# Altium PCB PCB1.PcbDoc (part 8 of 8)
Units mm, origin at the board's own origin, x right, y up, seen from the top; angles counter-clockwise.
Board outline 215 x 62.44 mm, 6 copper layers (Top Layer, Layer 1, Layer 2, Layer 3, Layer 4, Bottom Layer), stack 1.538 mm thick; 444 components, 475 nets, 1876 pads, 1257 vias.
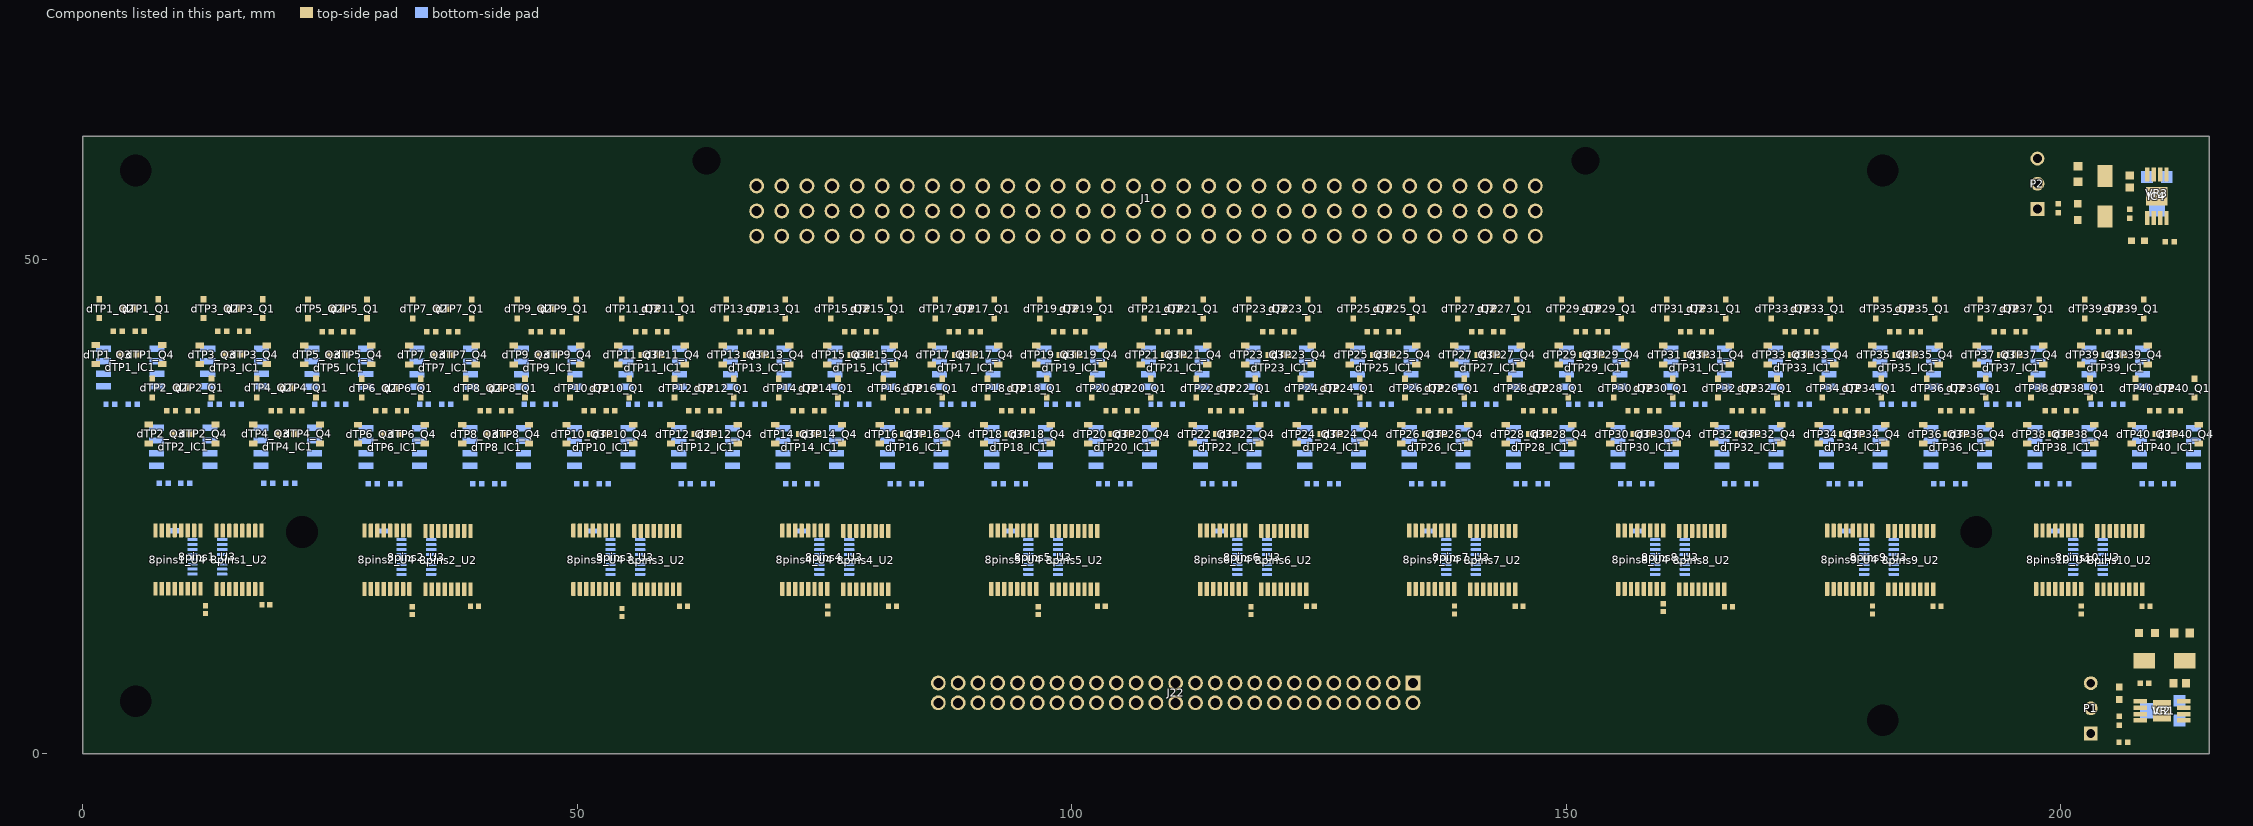
[diagram p12: the components of this part, seen from the top]

## Silkscreen, mask and mechanical layers (free items; w line width, h text height)
Top Overlay:
  lines w0.254: 96.012,3.827 103.012,3.827 ; 109.665,3.75 115.165,3.75 ; 133,48.229 133,53.311 ; 133.029,53.311 133.529,53.811 135,53.811 135.41,53.811 ; 135.5,48 135.5,58.099 ; 138,48 138,58.099 ; 140.5,48 140.5,58.099 ; 143,48 143,58.099 ; 145.655,48.044 145.655,58.143
  text "Vpins_INT_EN" at 190.12,59.787 h0.5
  text "80pin - Connection Tester Board" at 11.3,58.8 h1.5
  text "1" at 68.337,58.714 h0.5
  text "4" at 71.094,58.714 h0.5
  text "7" at 73.488,58.714 h0.5
  text "10" at 75.438,58.714 h0.5
  text "13" at 77.92,58.714 h0.5
  text "16" at 80.402,58.714 h0.5
  text "19" at 82.885,58.714 h0.5
  text "22" at 85.727,58.714 h0.5
  text "25" at 88.09,58.714 h0.5
  text "28" at 90.498,58.714 h0.5
  text "31" at 93.064,58.714 h0.5
  text "34" at 95.798,58.714 h0.5
  text "37" at 98.253,58.714 h0.5
  text "40" at 100.73,58.714 h0.5
  text "43" at 103.414,58.714 h0.5
  text "46" at 106.052,58.714 h0.5
  text "49" at 108.291,58.714 h0.5
  text "52" at 110.857,58.714 h0.5
  text "55" at 113.422,58.714 h0.5
  text "58" at 115.988,58.714 h0.5
  text "61" at 118.554,58.714 h0.5
  text "64" at 120.953,58.714 h0.5
  text "67" at 123.518,58.714 h0.5
  text "70" at 126.084,58.714 h0.5
  text "73" at 128.649,58.714 h0.5
  text "76" at 131.215,58.714 h0.5
  text "79" at 133.809,58.714 h0.5
  text "VPINS_EN" at 192.12,57.203 h0.5
  text "50" at 109.442,55.921 h0.5
  text "80" at 134.31,55.921 h0.5
  text "41" at 101.955,55.905 h0.5
  text "38" at 99.303,55.849 h0.5
  text "44" at 104.273,55.845 h0.5
  text "17" at 81.376,55.825 h0.5
  text "14" at 78.871,55.807 h0.5
  text "2" at 68.808,55.774 h0.5
  text "23" at 86.502,55.761 h0.5
  text "32" at 94.202,55.761 h0.5
  text "5" at 71.522,55.73 h0.5
  text "20" at 84.155,55.732 h0.5
  text "26" at 89.047,55.737 h0.5
  text "8" at 73.995,55.708 h0.5
  text "11" at 76.22,55.699 h0.5
  text "29" at 91.608,55.712 h0.5
  text "35" at 96.527,55.689 h0.5
  text "47" at 106.641,55.689 h0.5
  text "53" at 111.781,55.689 h0.5
  text "56" at 114.351,55.689 h0.5
  text "59" at 116.921,55.689 h0.5
  text "62" at 119.491,55.689 h0.5
  text "65" at 122.062,55.689 h0.5
  text "68" at 124.632,55.689 h0.5
  text "71" at 127.202,55.689 h0.5
  text "74" at 129.605,55.689 h0.5
  text "77" at 132.176,55.689 h0.5
  text "Vpins_EXT_EN" at 190.12,54.787 h0.5
  text "Vpins_OK_LED" at 196.62,52.787 h0.5
  text "MCU_PWR" at 136.385,50.886 h0.5 r270
  text "Vpins" at 141.668,50.608 h0.5 r270
  text "Vref" at 134.078,50.497 h0.5 r270
  text "3" at 67.906,50.324 h0.5
  text "12" at 75.318,50.326 h0.5
  text "15" at 77.811,50.326 h0.5
  text "18" at 80.304,50.326 h0.5
  text "21" at 82.797,50.326 h0.5
  text "24" at 85.457,50.326 h0.5
  text "27" at 87.917,50.326 h0.5
  text "30" at 90.681,50.326 h0.5
  text "33" at 92.936,50.326 h0.5
  text "36" at 95.662,50.326 h0.5
  text "39" at 98.293,50.326 h0.5
  text "42" at 100.826,50.326 h0.5
  text "45" at 103.42,50.326 h0.5
  text "48" at 105.941,50.326 h0.5
  text "51" at 108.315,50.326 h0.5
  text "54" at 110.97,50.326 h0.5
  text "57" at 113.552,50.326 h0.5
  text "60" at 115.956,50.326 h0.5
  text "63" at 118.533,50.326 h0.5
  text "66" at 121.109,50.326 h0.5
  text "69" at 123.685,50.326 h0.5
  text "72" at 126.262,50.326 h0.5
  text "75" at 128.838,50.326 h0.5
  text "6" at 70.57,50.282 h0.5
  text "9" at 73.022,50.282 h0.5
  text "78" at 131.414,50.291 h0.5
  text "PWR" at 144.198,49.802 h0.5 r270
  text "GND" at 146.756,49.691 h0.5 r270
  text "5V" at 139.052,49.66 h0.5 r270
  text "5V_OK_LED" at 206.634,13.567 h0.5
  text "P2_SRCLR" at 114.41,12.203 h0.5 r270
  text "P2_SRCLK" at 116.41,12.203 h0.5 r270
  text "N2_SRCLR" at 124.41,12.203 h0.5 r270
  text "N2_SRCLK" at 126.41,12.203 h0.5 r270
  text "N1_SRCLR" at 86.225,12.119 h0.5 r270
  text "N1_SRCLK" at 88.157,12.119 h0.5 r270
  text "MUX1_nEN" at 100.157,12.119 h0.5 r270
  text "P2_RCLK" at 118.41,11.703 h0.5 r270
  text "N2_RCLK" at 128.41,11.703 h0.5 r270
  text "N1_RCLK" at 90.157,11.619 h0.5 r270
  text "MUX1_A2" at 96.157,11.619 h0.5 r270
  text "MUX1_A0" at 102.157,11.619 h0.5 r270
  text "P2_nOE" at 120.41,11.203 h0.5 r270
  text "P2_SER" at 122.41,11.203 h0.5 r270
  text "N2_nOE" at 130.41,11.203 h0.5 r270
  text "N2_SER" at 132.41,11.203 h0.5 r270
  text "N1_SER" at 92.157,11.12 h0.5 r270
  text "N1_nOE" at 94.157,11.12 h0.5 r270
  text "MUX_A1" at 98.157,11.036 h0.5 r270
  text "D2" at 106.326,9.204 h0.5 r270
  text "D3" at 108.326,9.204 h0.5 r270
  text "D4" at 110.326,9.204 h0.5 r270
  text "D5" at 112.326,9.204 h0.5 r270
  text "D6" at 134.326,9.204 h0.5 r270
  text "D1" at 104.326,9.037 h0.5 r270
  text "5V_INT_EN" at 197.34,7.019 h0.5
  text "5V_EN" at 198.65,4.647 h0.5
  text "MUX2_nEN" at 126.368,4.133 h0.5 r270
  text "Vpins_en" at 116.267,4.082 h0.5 r270
  text "P1_RCLK" at 90.118,3.955 h0.5 r270
  text "P1_SRCLK" at 92.291,3.973 h0.5 r270
  text "P1_SRCLR" at 94.293,3.943 h0.5 r270
  text "Vref" at 104.12,3.88 h0.5 r270
  text "Vpins" at 106.287,3.88 h0.5 r270
  text "MCU_PWR" at 108.203,3.88 h0.5 r270
  text "5V_E_en" at 118.203,3.88 h0.5 r270
  text "MUX2_A1" at 120.245,3.893 h0.5 r270
  text "MUX2_A2" at 122.327,3.893 h0.5 r270
  text "MUX2_A0" at 124.168,3.893 h0.5 r270
  text "D9" at 130.297,3.876 h0.5 r270
  text "D8" at 132.254,3.878 h0.5 r270
  text "P1_nOE" at 88.24,3.873 h0.5 r270
  text "D7" at 134.329,3.869 h0.5 r270
  text "D10" at 128.249,3.824 h0.5 r270
  text "P1_SER" at 86.321,3.811 h0.5 r270
  text "BOARD_PWR" at 110.12,2.703 h0.5
  text "GND" at 99.12,2.62 h0.5
  text "5V_EXT_EN" at 197.206,1.841 h0.5
  text "Filip Paul - rev1 - 26.11.2022" at 2.434,1.651 h1
  text "7-15V" at 111.12,1.62 h0.5
Bottom Overlay:
  lines w0.254: 96.012,3.827 103.012,3.827 ; 109.665,3.75 115.165,3.75 ; 133,48.229 133,53.311 ; 133.029,53.311 133.529,53.811 135,53.811 135.41,53.811 ; 135.613,48.06 135.613,58.159 ; 138,48 138,58.099 ; 140.5,48 140.5,58.099 ; 143,48 143,58.099 ; 145.655,48.044 145.655,58.143
  text "Vpins_INT_EN" at 195.934,60.045 h0.5
  text "1" at 68.097,58.714 h0.5
  text "4" at 70.854,58.714 h0.5
  text "7" at 73.248,58.714 h0.5
  text "10" at 76.198,58.714 h0.5
  text "13" at 78.68,58.714 h0.5
  text "16" at 81.162,58.714 h0.5
  text "19" at 83.645,58.714 h0.5
  text "22" at 86.487,58.714 h0.5
  text "25" at 88.85,58.714 h0.5
  text "28" at 91.258,58.714 h0.5
  text "31" at 93.824,58.714 h0.5
  text "34" at 96.558,58.714 h0.5
  text "37" at 99.013,58.714 h0.5
  text "40" at 101.49,58.714 h0.5
  text "43" at 104.174,58.714 h0.5
  text "46" at 106.812,58.714 h0.5
  text "49" at 109.051,58.714 h0.5
  text "52" at 111.617,58.714 h0.5
  text "55" at 114.182,58.714 h0.5
  text "58" at 116.748,58.714 h0.5
  text "61" at 119.314,58.714 h0.5
  text "64" at 121.713,58.714 h0.5
  text "67" at 124.278,58.714 h0.5
  text "70" at 126.844,58.714 h0.5
  text "73" at 129.409,58.714 h0.5
  text "76" at 131.975,58.714 h0.5
  text "79" at 134.569,58.714 h0.5
  text "VPINS_EN" at 195.916,57.37 h0.5
  text "80" at 135.155,55.922 h0.5
  text "44" at 105.03,55.848 h0.5
  text "50" at 110.134,55.838 h0.5
  text "2" at 69.068,55.774 h0.5
  text "23" at 87.262,55.761 h0.5
  text "32" at 94.962,55.761 h0.5
  text "5" at 71.782,55.73 h0.5
  text "20" at 84.915,55.732 h0.5
  text "26" at 89.807,55.737 h0.5
  text "8" at 74.255,55.708 h0.5
  text "11" at 76.98,55.699 h0.5
  text "29" at 92.368,55.712 h0.5
  text "14" at 79.462,55.689 h0.5
  text "17" at 81.949,55.689 h0.5
  text "35" at 97.287,55.689 h0.5
  text "38" at 99.857,55.689 h0.5
  text "41" at 102.427,55.689 h0.5
  text "47" at 107.401,55.689 h0.5
  text "53" at 112.541,55.689 h0.5
  text "56" at 115.111,55.689 h0.5
  text "59" at 117.681,55.689 h0.5
  text "62" at 120.251,55.689 h0.5
  text "65" at 122.822,55.689 h0.5
  text "68" at 125.392,55.689 h0.5
  text "71" at 127.962,55.689 h0.5
  text "74" at 130.365,55.689 h0.5
  text "77" at 132.936,55.689 h0.5
  text "Vpins_EXT_EN" at 195.952,54.971 h0.5
  text "Vpins_TRIMMER" at 212.287,53.62 h0.5 r270
  text "6" at 70.69,50.375 h0.5
  text "3" at 68.189,50.305 h0.5
  text "9" at 73.178,50.319 h0.5
  text "12" at 76.078,50.326 h0.5
  text "15" at 78.571,50.326 h0.5
  text "18" at 81.064,50.326 h0.5
  text "21" at 83.557,50.326 h0.5
  text "24" at 86.217,50.326 h0.5
  text "27" at 88.677,50.326 h0.5
  text "30" at 91.441,50.326 h0.5
  text "33" at 93.696,50.326 h0.5
  text "36" at 96.422,50.326 h0.5
  text "39" at 99.053,50.326 h0.5
  text "42" at 101.586,50.326 h0.5
  text "45" at 104.18,50.326 h0.5
  text "48" at 106.701,50.326 h0.5
  text "51" at 109.075,50.326 h0.5
  text "54" at 111.73,50.326 h0.5
  text "57" at 114.312,50.326 h0.5
  text "60" at 116.716,50.326 h0.5
  text "63" at 119.293,50.326 h0.5
  text "66" at 121.869,50.326 h0.5
  text "69" at 124.445,50.326 h0.5
  text "72" at 127.022,50.326 h0.5
  text "75" at 129.598,50.326 h0.5
  text "78" at 132.174,50.291 h0.5
  text "5V" at 139.052,49.9 h0.5 r270
  text "GND" at 146.673,49.457 h0.5 r270
  text "Vref" at 133.99,49.31 h0.5 r270
  text "Vpins" at 141.598,48.633 h0.5 r270
  text "MCU_PWR" at 136.523,47.643 h0.5 r270
  text "BOARD_PWR" at 144.001,46.783 h0.5 r270
  text "N1_SRCLR" at 86.41,8.609 h0.5 r270
  text "N1_SRCLK" at 88.41,8.609 h0.5 r270
  text "N1_RCLK" at 90.41,8.609 h0.5 r270
  text "N1_SER" at 92.41,8.609 h0.5 r270
  text "N1_nOE" at 94.41,8.609 h0.5 r270
  text "MUX1_A2" at 96.41,8.609 h0.5 r270
  text "MUX_A1" at 98.41,8.609 h0.5 r270
  text "MUX1_nEN" at 100.41,8.609 h0.5 r270
  text "MUX1_A0" at 102.41,8.609 h0.5 r270
  text "D1" at 104.326,8.609 h0.5 r270
  text "D2" at 106.326,8.609 h0.5 r270
  text "D3" at 108.326,8.609 h0.5 r270
  text "D4" at 110.326,8.609 h0.5 r270
  text "D5" at 112.326,8.609 h0.5 r270
  text "P2_SRCLR" at 114.41,8.609 h0.5 r270
  text "P2_SRCLK" at 116.41,8.609 h0.5 r270
  text "P2_RCLK" at 118.41,8.609 h0.5 r270
  text "P2_nOE" at 120.41,8.609 h0.5 r270
  text "P2_SER" at 122.41,8.609 h0.5 r270
  text "N2_SRCLR" at 124.41,8.609 h0.5 r270
  text "N2_SRCLK" at 126.41,8.609 h0.5 r270
  text "N2_RCLK" at 128.41,8.609 h0.5 r270
  text "N2_nOE" at 130.41,8.609 h0.5 r270
  text "N2_SER" at 132.41,8.609 h0.5 r270
  text "D6" at 134.326,8.609 h0.5 r270
  text "5V_TRIMMER" at 212.53,7.866 h0.5
  text "5V_INT_EN" at 201.425,7.096 h0.5
  text "5V_EN" at 201.208,4.818 h0.5
  text "D9" at 130.297,3.116 h0.5 r270
  text "D8" at 132.254,3.118 h0.5 r270
  text "D7" at 134.329,3.109 h0.5 r270
  text "BOARD_PWR" at 114.38,2.703 h0.5
  text "D10" at 128.241,2.685 h0.5 r270
  text "GND" at 100.38,2.62 h0.5
  text "Vref" at 104.12,2.12 h0.5 r270
  text "5V_EXT_EN" at 201.406,1.828 h0.5
  text "Vpins" at 106.287,1.62 h0.5 r270
  text "7-15V" at 113.38,1.62 h0.5
  text "P1_nOE" at 88.288,1.222 h0.5 r270
  text "P1_SER" at 86.239,1.13 h0.5 r270
  text "MUX2_A1" at 120.407,0.856 h0.5 r270
  text "MUX2_A0" at 124.221,0.742 h0.5 r270
  text "P1_RCLK" at 90.322,0.637 h0.5 r270
  text "MUX2_A2" at 122.287,0.641 h0.5 r270
  text "MCU_PWR" at 108.203,0.62 h0.5 r270
  text "5V_E_en" at 118.203,0.62 h0.5 r270
  text "Vpins_en" at 116.234,0.324 h0.5 r270
  text "P1_SRCLR" at 94.269,0.289 h0.5 r270
  text "MUX2_nEN" at 126.244,0.274 h0.5 r270
  text "P1_SRCLK" at 92.263,0.175 h0.5 r270